# Altium PCB MainBoard_Layout_V2.PcbDoc (part 1 of 3) (continued)
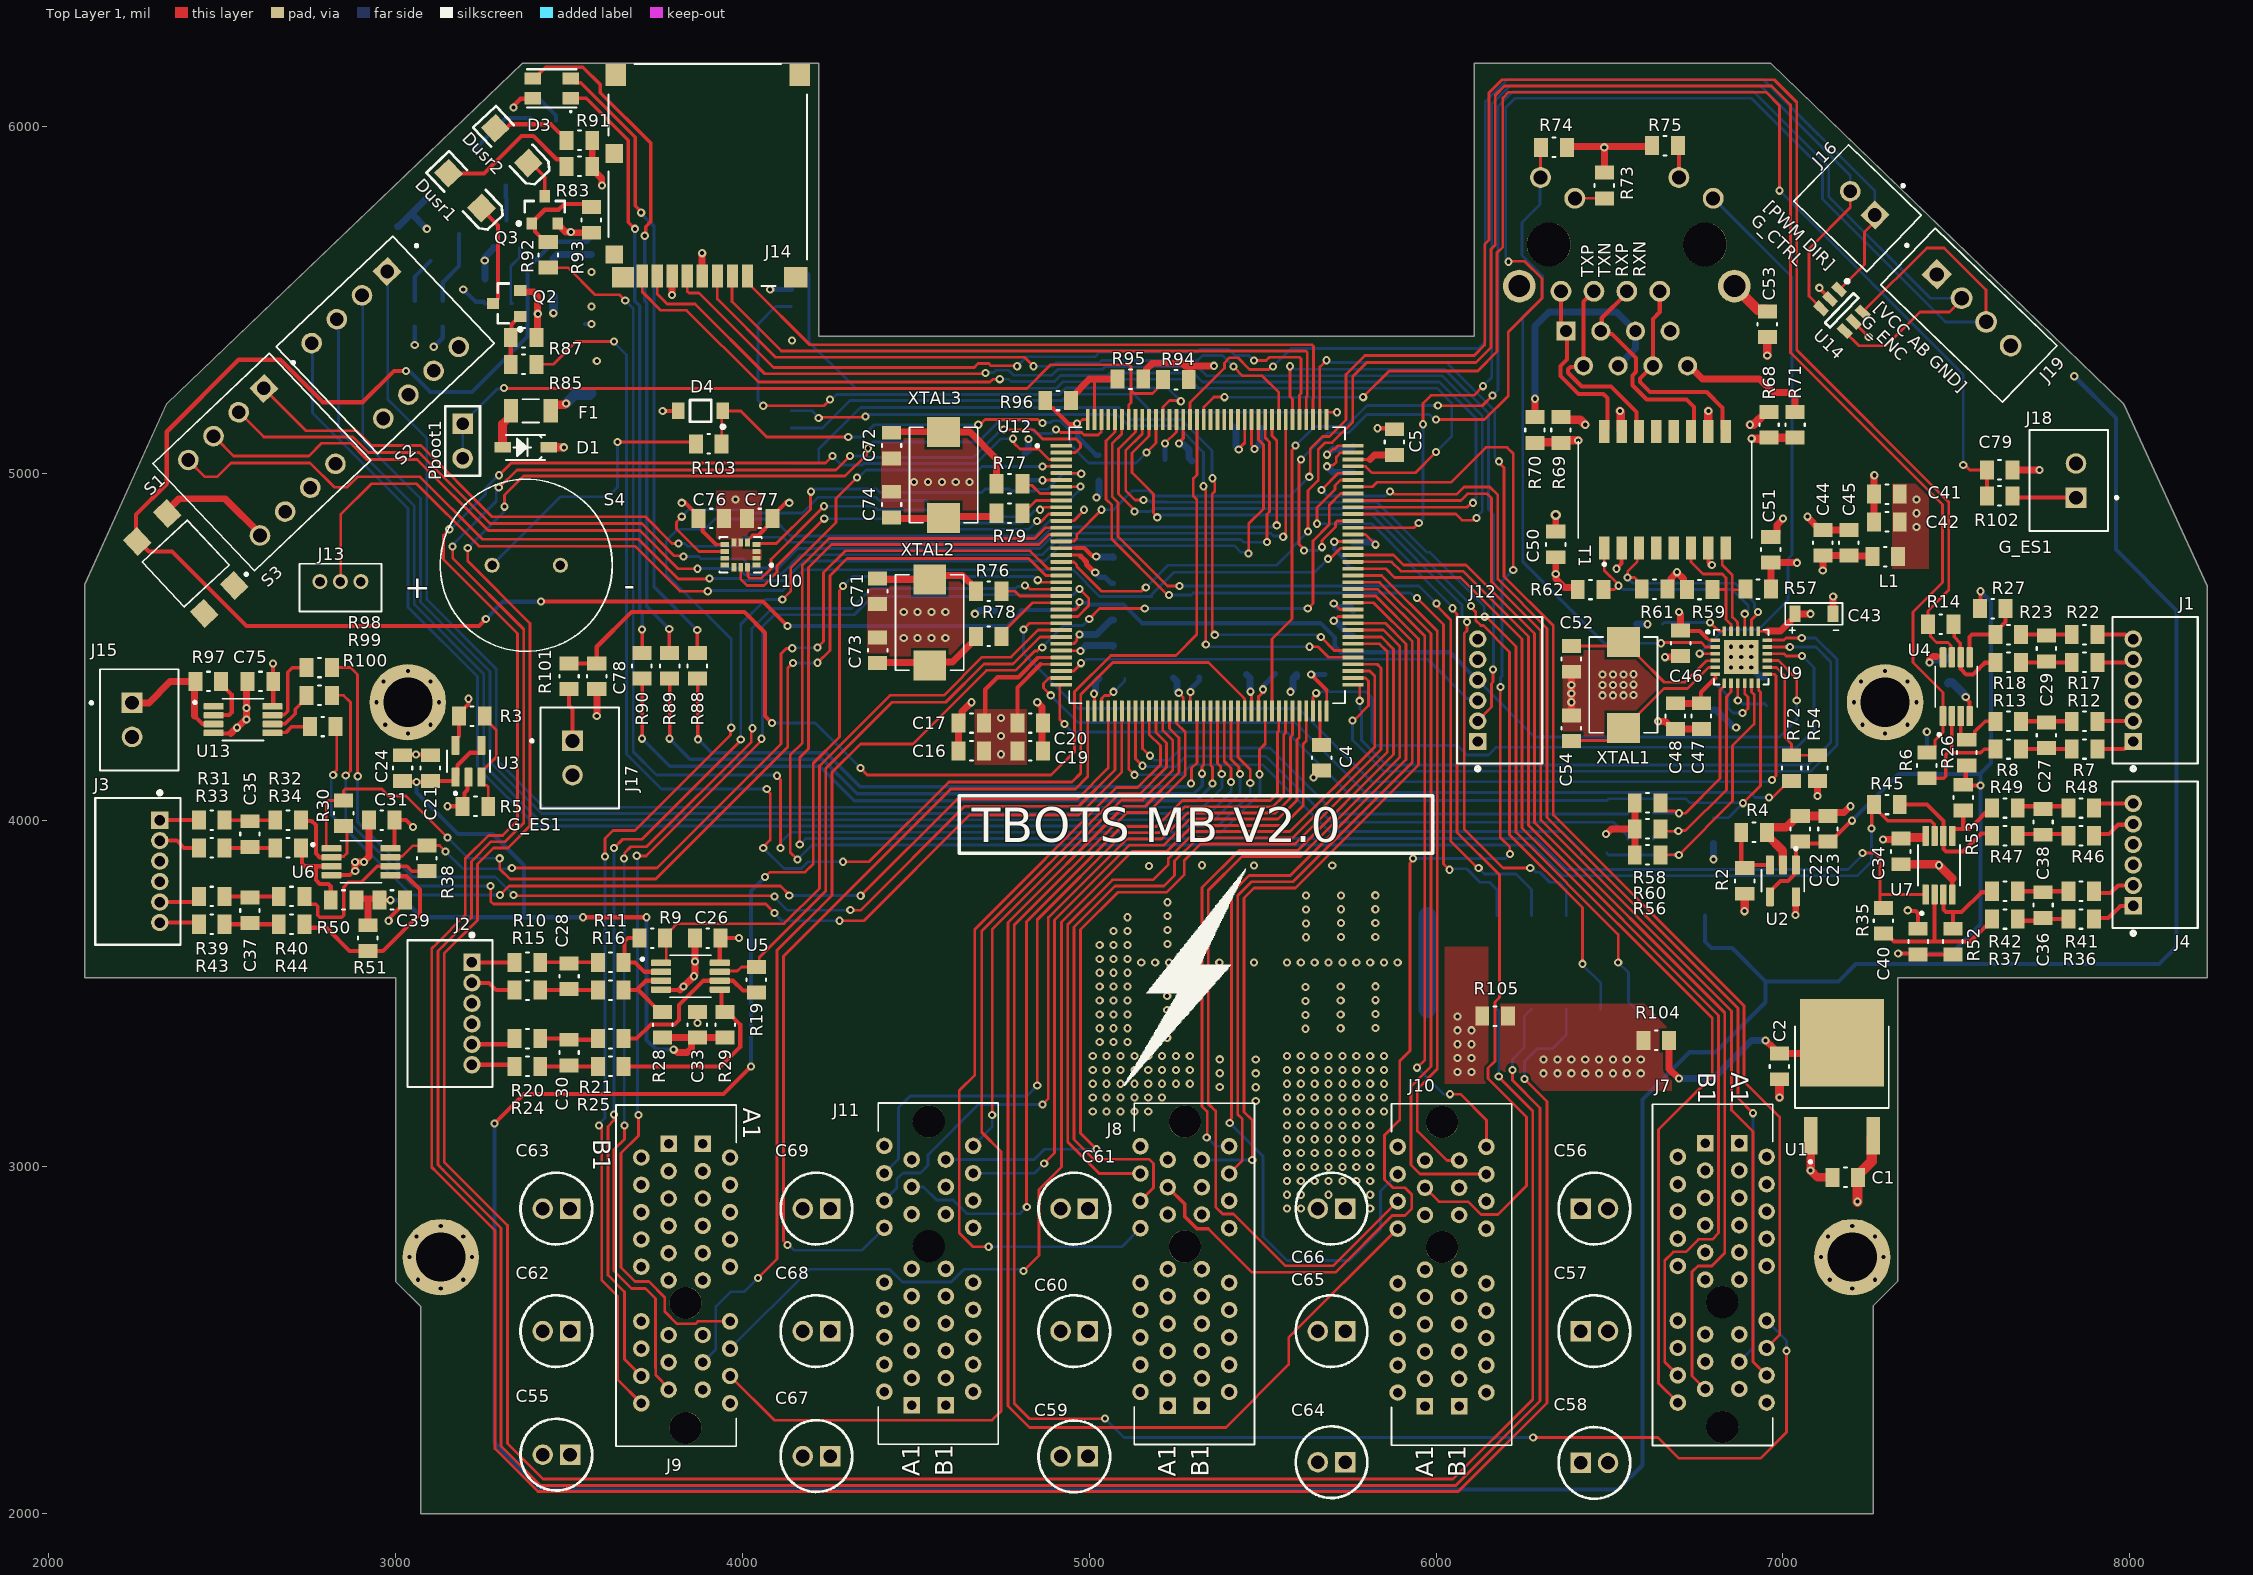
[diagram p0: Top Layer 1 view]
## Footprints (in the part's own frame and the unit in brackets; to place one, negate y for a bottom-side part, rotate by r counter-clockwise, add the part's x,y. Pads: shape width x height; smd on the part's side, far side on the other; paste and mask are expansions set on the pad) (continued)
  rect 67x59 smd: 14(253.92,-294.33)
  silkscreen extent -286,-320 286,320, body extent -280,-312 283,318, height 10
SMD-2 [mm]
  rect 2.2x2.4 smd: 1(-3.15,0) 2(3.15,0)
  silkscreen extent -3.5,-2.5 3.5,2.5
SOD-123 [mil]
  rect 48x30 smd: A(66,0) C(-66,0)
  silkscreen extent -56,-36 56,36
SOT23-6L [mm]
  rect 1.1x0.6 smd: 1(-1.2,0.95) 2(-1.2,0) 3(-1.2,-0.95) 4(1.2,-0.95) 5(1.2,0) 6(1.2,0.95)
  silkscreen extent -1.32,-1.5 0.25,1.92, body extent -0.86,-1.51 0.87,1.52, height 1.25
SOT95P280X145-5N [mm]
  rrect25% 1.39x0.6 smd: 1(-1.165,0.95) 2(-1.165,0) 3(-1.165,-0.95) 4(1.165,-0.95) 5(1.165,0.95)
  silkscreen extent -2.46,-1.57 0.8,1.57, body extent -1.5,-1.5 1.5,1.5, height 1.45
STLINK-V3MODS [mil] "STLINK V3 COMPACT IN-CIRCUIT DEB"
  rect 74.8x42.13 smd: 1(1921.81,-4560) 2(1921.81,-4610) 3(1921.81,-4660) 4(1921.81,-4710) 5(1921.81,-4760) 6(1921.81,-4810) 7(1921.81,-4860) 8(1921.81,-4910) 9(1921.81,-4960) 10(1921.81,-5010) 11(1921.81,-5060) 12(1921.81,-5110) 13(1921.81,-5160) 14(1921.81,-5210) 15(1921.81,-5260) 16(1921.81,-5310) 17(2498.19,-5310) 18(2498.19,-5260) 19(2498.19,-5210) 20(2498.19,-5160) 21(2498.19,-5110) 22(2498.19,-5060) 23(2498.19,-5010) 24(2498.19,-4960) 25(2498.19,-4910) 26(2498.19,-4860) 27(2498.19,-4810) 28(2498.19,-4760) 29(2498.19,-4710) 30(2498.19,-4660) 31(2498.19,-4610) 32(2498.19,-4560)
  silkscreen extent 1910,-5350 2510,-4127
SW_DS02-254-1L-04BE [mm]
  rect 1.508x1.508 hole 1: 1A(-3.81,-3.81)
  round 1.508 hole 1: 1B(-3.81,3.81) 2A(-1.27,-3.81) 2B(-1.27,3.81) 3A(1.27,-3.81) 3B(1.27,3.81) 4A(3.81,-3.81) 4B(3.81,3.81)
  silkscreen extent -6.77,-5.4 5.87,5.4, body extent -5.87,-7.71 5.86,5.17, height 9.46
TL3305 [mm] "TL3305 SPST-NO"
  rect 1.4x1.6 smd: 1(-1.5,3.6) 2(-1.5,-3.6) 3(1.5,3.6) 4(1.5,-3.6)
  silkscreen extent -2.8,-2.25 2.25,3.7
TRANSFORMER [mm]
  rect 1.67x0.76 smd: 1(-4.265,4.445) 2(-4.265,3.175) 3(-4.265,1.905) 4(-4.265,0.635) 5(-4.265,-0.635) 6(-4.265,-1.905) 7(-4.265,-3.175) 8(-4.265,-4.445) 9(4.265,-4.445) 10(4.265,-3.175) 11(4.265,-1.905) 12(4.265,-0.635) 13(4.265,0.635) 14(4.265,1.905) 15(4.265,3.175) 16(4.265,4.445)
  silkscreen extent -5.56,-6.35 3.55,6.35

## Part data
C1 C2 C4 C5: library part "CAP 10uF 10V", "CAP CER 10UF 10V X5R 0805", Package=0805, Rating=10V, Tolerance=10%
C3: library part "CAP 4.7uF 35V", "CAP CER 4.7UF 35V X7R 0603/0805", Operating Temperature="-55°C ~ 125°C", Package=0603/0805, Rating=35V, Temperature Coefficient=X7R, Tolerance=10%
C6 C7 C8 C9 C10 C11 C12 C13 C14 C15 C17 C18 C20 C27 C28 C29 C30 C35 C36 C37 C38 C42 C44 C45 C46 C49 C50 C51 C70 C76 C77 C80: library part "CAP 100nF 50V", "CAP CER 0.1UF 50V X7R 0805", Package=0805, Rating=50V, Tolerance=10%
C16 C19 C21 C22 C32 C33 C39 C40 C41 C48: library part "CAP 1uF 50V", "CAP CER 1UF 50V X7R 0805", Operating Temperature="-55°C ~ 125°C", Package=0805, Rating=50V, Temperature Coefficient=X7R, Tolerance=10%
C23 C24 C25 C26 C31 C34: library part "CAP 0.010uF 50V", "CAP CER 0.010UF 50V X7R 0603/0805", Operating Temperature="-55°C ~ 125°C", Package=0603/0805, Rating=50V, Temperature Coefficient=X7R, Tolerance=10%
C43: library part "CAP TANT 10uF 10V", "CAP TANT 10UF 10V 1206", ESR (Equivalent Series Resistance)="3.8 Ohm", Operating Temperature="-55°C ~ 125°C", Package=1206, Rating=10V, Tolerance=10%, Type="Molded Tantalum"
C47: library part "CAP 470pF 50V", "CAP CER 470PF 50V X7R 0603/0805", Operating Temperature="-55°C ~ 125°C", Package=0603/0805, Rating=50V, Temperature Coefficient=X7R, Tolerance=10%
C52 C54: library part "CAP 30pF 25V", "CAP CER 30PF 25V NP0 0805", Package=0805, Rating=25V, Tolerance=20%
C53: library part "CAP 1000pF 50V", "CAP CER 1000PF 50V X7R 0603/0805", Operating Temperature="-55°C ~ 125°C", Package=0603/0805, Rating=50V, Temperature Coefficient=X7R, Tolerance=10%
C55 C56 C57 C58 C59 C60 C61 C62 C63 C64 C65 C66 C67 C68 C69: "0.1µF 100V Aluminum Electrolytic Capacitors, Through-Hole, Radial, Can 2000 Hrs @ 85°C", Manufacturer_Name=Nichicon, Manufacturer_Part_Number=UKL2A0R1KDD, Mouser Part Number=647-UKL2A0R1KDD, Rating=100V, Supplier Part Number 1=493-16876-ND, Datasheet Link=http://www.mouser.com/ds/2/293/e-ukl-876305.pdf, Height=12.5mm, Mouser Price/Stock=https://www.mouser.com/Search/Refine.aspx?Keyword=647-UKL2A0R1KDD, Supplier 1=Digi-Key
C71 C73: library part "CAP 5.6uF 6.3V", "CAP CER 5.6UF 6.3V X5R 0805", Operating Temperature="-55°C ~ 85°C", Package=0805, Rating=6.3V, Temperature Coefficient=X5R, Tolerance=10%
C72 C74: library part "CAP 5.1pF 630V", "CAP CER 5.1PF 630V C0G/NP0 0805", Operating Temperature="-55°C ~ 125°C", Package=0805, Rating=50V, Temperature Coefficient=C0G/NP0, Tolerance=10%
C75: library part "CAP 0.10uF 16V", "CAP CER 0.10UF 16V X5R 0603/0805", Operating Temperature="-55°C ~ 85°C", Package=0603/0805, Rating=16V, Temperature Coefficient=X5R, Tolerance=10%
C78 C79: library part "CAP 0.1uF 25V", "CAP CER 0.1UF 25V X7R 0805", Operating Temperature="-55°C ~ 125°C", Rating=25V, Temperature Coefficient=X7R, Tolerance=10%
D1: library part "DIODE SCHOTTKY 20V 1A", "Diode Schottky 20V 1A Surface Mount SOD-123FL", Current Rating=1A, Package=SOD-123, Voltage Rating=20V, ComponentLink1Description=digikey, ComponentLink1URL=https://www.digikey.ca/product-detail/en/on-semiconductor/MBR0540T1G/MBR0540T1GOSCT-ND/917967, Digikey=SM5817PL-TPMSCT-ND, Digikey Link=https://www.digikey.ca/product-detail/en/micro-commercial-co/SM5817PL-TP/SM5817PL-TPMSCT-ND/1793410, MF="Micro Commercial Co", MP=SM5817PL-TP
D3: "LED RGB No Lead  / AAA3528"
D4: library part "DIODE ZENER 3.3 500mW", "Zener 3V3 Voltage Regulator, 500 mW, 2-Pin SOD-123, Pb-Free, Tape and Reel", Manufacturer="On Semiconductor", PartNumber=MMSZ4684T1G, Supplier Part Number 1=MMSZ4684T1GOSCT-ND, ComponentLink1Description="Manufacturer URL", ComponentLink1URL=http://www.onsemi.com/, ComponentLink2Description=Datasheet, ComponentLink2URL=http://www.onsemi.com/pub_link/Collateral/MMSZ4678T1-D.PDF, ComponentLink3Description="Package Specification", ComponentLink3URL=http://www.onsemi.com/pub_link/Collateral/425-04.PDF, DatasheetVersion="Rev. 9", Mounting Technology="Surface Mount", P Max (W)=0.5, PackageDescription="2-Pin SOD, Body 1.6 x 2.69 mm", PackageReference=SOD-123-2-425-04, PackageVersion="Rev. G, 10/2009", Packing="Tape and Reel", RoHS=Pb-Free, Supplier 1=Digi-Key, VZ Typ (V)=3.3
Dled1 Dled2 Dled3 Dusr1: library part "LED GREEN SMD", "Typical RED, GREEN, YELLOW, AMBER GaAs LED", Color=Green, Current - Test=20mA, Package=1206, Voltage - Forward (Vf) (Typ)=2V, Lens Transparency=Clear
Dusr2: library part "LED RED SMD", "Typical RED, GREEN, YELLOW, AMBER GaAs LED", Color=Red, Current - Test=20mA, Lens Color=Colorless, Package=1206, Voltage - Forward (Vf) (Typ)=1.7V, Lens Transparency=Clear
F1: library part "FUSE 3A 63V SLOW", "FUSE 3A 63V AC/DC SLOW 1206", Current Rating (Amps)=3A, Operating Temperature="-55°C ~ 90°C", Voltage Rating - AC=63V, Response Time="Slow Blow", Voltage Rating - DC=63V
J1 J2 J3 J4 J12: library part "CN 6POS JST RA", "Conn Shrouded Header HDR 6 POS 1.5mm Solder RA Thru-Hole Box", Color=White, Contact Resistance=30mR, Current Rating=1A, Flammability Rating="UL94 V-0", Housing Color=Beige, Insulation Color=Natural, Insulation Resistance=500MR, Manufacturer=JST, Manufacturer Part Number=S6B-ZR(LF)(SN), Max Operating Temperature=85°C, Max Voltage Rating (AC)=50V, Min Operating Temperature=-25°C, Supplier Part Number 1=455-1673-ND, Body Plating=Tin, Category="Headers and Wire Housings", ComponentLink1Description=https://datasheet.ciiva.com/8052/80556-8052225.pdf?src-supplier=Element14, ComponentLink1URL=https://datasheet.ciiva.com/8052/80556-8052225.pdf?src-supplier=Element14, ComponentLink2Description=https://datasheet.ciiva.com/25617/0900766b81147f94-25617345.pdf?src-supplier=RSComponents, ComponentLink2URL=https://datasheet.ciiva.com/25617/0900766b81147f94-25617345.pdf?src-supplier=RSComponents, ComponentLink3Description=https://datasheet.ciiva.com/11752/0900766b8082f593-11752194.pdf?src-supplier=RSComponents, ComponentLink3URL=https://datasheet.ciiva.com/11752/0900766b8082f593-11752194.pdf?src-supplier=RSComponents, ComponentLink4Description=https://datasheet.ciiva.com/26894/getdatasheetpartid-642095-26894637.pdf?src-supplier=Verical, ComponentLink4URL=https://datasheet.ciiva.com/26894/getdatasheetpartid-642095-26894637.pdf?src-supplier=Verical, ComponentLink5Description=https://datasheet.ciiva.com/712/ezh-712560.pdf?src-supplier=Digi-Key, ComponentLink5URL=https://datasheet.ciiva.com/712/ezh-712560.pdf?src-supplier=Digi-Key, ComponentLink6Description=https://datasheet.ciiva.com/16484/s6b-zrlfsn-16484554.pdf?src-supplier=Future+Electronics, ComponentLink6URL=https://datasheet.ciiva.com/16484/s6b-zrlfsn-16484554.pdf?src-supplier=Future+Electronics, Connector Type="Header,Male Pin", Contact Material=Brass,Tin,Copper, Contact Mating Length=0.094inch, Contact Plating=Tin,Copper, Contact Shape=Circular, Depth=6mm, Fastening Type=Detent, Gender=Male, Height=7.2mm, Housing Material=Polyamide, Insulation Material=Nylon, Lead Free="Lead Free", Lead Pitch=1.5mm, Length=10.5mm, Material=Nylon, Max Current Rating=1A, Mount="Through Hole", Number of Contacts=6, Number of Pins=6, Number of Positions=6, Number of Rows=1, Orientation="Right Angle", Packaging=Bulk, Panel Thickness=3.5mm, Pitch=1.5mm, REACH SVHC="No SVHC", RoHS=Yes, Stock 1=14808, Supplier 1=Digi-Key, Termination=Solder, Voltage Rating=50V, Voltage Rating (AC)=50V, Voltage Rating (DC)=50V, Width=3.5mm
J5: library part "CN MAGJACK", "CN MAGJACK 1PORT 100 BASE-TX", Package=None, Supplier Part Number 1=673-J00-0045NL, Digikey=553-1619-5-ND, Digikey Link=https://www.digikey.com/product-detail/en/pulse-electronics-network/J00-0045NL/553-1619-5-ND/1036860?utm_source=snapeda&utm_medium=aggregator&utm_campaign=symbol, MF="Pulse Electronics", MP=J00-0045NL, SnapEDA_Link=https://www.snapeda.com/parts/J00-0045NL/Pulse%20Electronics%20Network/view-part/87956/?ref=snap, Supplier 1=Mouser
J6: library part "CN HDR 34POS 2x17", "Female Header THRU 34POS 2ROW 0.1\" (2.54mm) pitch"
J7 J8 J9 J10 J11: "36 Position Female Connector PCI Expressâ„¢ Gold 0.039 _1.00mm_ Black 10018784-10210TLF", Package=None, Availability=Unavailable, MF="Amphenol ICC", MP=10018784-10210TLF, Price=None, SnapEDA_Link=https://www.snapeda.com/parts/10018784-10210TLF/Amphenol%20FCI/view-part/520950/?ref=snap
J13: "Connector Header Through Hole 3 position 0.059 (1.50mm)", Package=Bulk, Availability=Active, Check_prices=https://www.snapeda.com/parts/B3B-ZR/JST%20Sales%20America%20Inc./view-part/496625/?ref=eda, ComponentLink1Description="Digikey Link", ComponentLink1URL=https://www.digikey.com/en/products/detail/jst-sales-america-inc/B3B-ZR(LF)(SN)/926565?utm_source=snapeda&utm_medium=aggregator&utm_campaign=buynow, Digikey=455-1658-ND, MF="JST Sales", MP=B3B-ZR, Price=$0.18, SnapEDA_Link=https://www.snapeda.com/parts/B3B-ZR/JST%20Sales%20America%20Inc./view-part/496625/?ref=snap
J14: "10 (8 + 2) Position Card Connector Secure Digital - microSD™ Surface Mount, Right Angle Gold", ComponentLink1Description=Digikey, ComponentLink1URL=https://www.digikey.ca/en/products/detail/molex/5027740891/1952536, ComponentLink2Description=Datasheet, ComponentLink2URL=https://www.molex.com/pdm_docs/sd/5027740891_sd.pdf, Digikey=WM24066CT-ND, MF=Molex, MP=5027740891
J15 J16 J17 J18: "Connector Header Through Hole 2 position 0.098 _2.50mm_ / JST XH", Package=None, Availability=Unavailable, MF="JST Sales", MP=B2B-XH-A_LF__SN_, Price=None, SnapEDA_Link=https://www.snapeda.com/parts/B2B-XH-A%28LF%29%28SN%29/JST%20Sales%20America%20Inc./view-part/492310/?ref=snap
J19: "Connector Header Through Hole 4 position 0.098 _2.50mm_ / B4B-XH-A(LF)(SN)", Package=None, Availability=Unavailable, MF="JST Sales", MP=B4B-XH-A_LF__SN_, Price=None, SnapEDA_Link=https://www.snapeda.com/parts/B4B-XH-A%28LF%29%28SN%29/JST%20Sales%20America%20Inc./view-part/447494/?ref=snap
L1: "100µH Unshielded Wirewound Inductor 50mA 4Ohm 0805 (2012 Metric)", Supplier Part Number 1=587-4040-1-ND, Digikey=587-2048-1-ND, Digikey Link=https://www.digikey.ca/product-detail/en/taiyo-yuden/LBR2012T101K/587-2048-1-ND/1788995, MF="Taiyo Yuden", MP=LBR2012T101K, Revision="July-2002: Re-released for DXP Platform.", Supplier 1=Digi-Key
Pboot1: "Header, 2-Pin", LatestRevisionDate=17-Jul-2002, LatestRevisionNote="Re-released for DXP Platform.", Publisher="Altium Limited"
Q1 Q2 Q3: library part CMP-1048-00605-1, "Driver Transistor, NPN Silicon, 3-Pin SOT-23, Tape and Reel", Manufacturer="On Semiconductor", ComponentLink1Description="Manufacturer URL", ComponentLink1URL=http://www.onsemi.com/, ComponentLink2Description=Datasheet, ComponentLink2URL=http://www.onsemi.com/pub_link/Collateral/BSS64LT1-D.PDF, ComponentLink3Description="Package Specification", ComponentLink3URL=http://www.onsemi.cn/pub_link/Collateral/318-08.PDF, DatasheetVersion="Rev. 5", fT Min (MHz)=60, IC Continuous (A)=0.1, Mounting Technology="Surface Mount", PackageDescription="3-Pin Small Outline Transistor, Body 2.92 x 1.3 mm, Pitch 0.95 mm", PackageReference=SOT-23-3-318-08, PackageVersion="Rev. AP, 11/2009", Packing="Tape and Reel", PartNumber=BSS64LT1, Polarity=NPN, RoHS=FALSE
R1: library part "RES 182.0 1/8W", "RES SMD 182 OHM 1% 1/8W 0805", Package=0805, Power (Watts)=0.125W, Tolerance=1%
R2 R3 R4 R5 R8 R11 R13 R16 R18 R21 R23 R25 R32 R34 R37 R40 R42 R44 R47 R49 R86 R87 R93: library part "RES 100k 1/8W - 1%", "RES SMD 100K OHM 1% 1/8W 0805", Package=0805, Power (Watts)=0.125W, Tolerance=1%
R6 R9 R14 R19 R26 R27 R28 R29 R30 R35 R38 R45 R50 R51 R52 R53: library part "RES 64.9k 1/8W", "RES SMD 64.9K OHM 1% 1/8W 0805", Package=0805, Power (Watts)=0.125W, Tolerance=1%, ComponentLink1Description=digikey, ComponentLink1URL=https://www.digikey.ca/en/products/detail/yageo/RC0805FR-0764K9L/728090
R7 R10 R12 R15 R17 R20 R22 R24 R31 R33 R36 R39 R41 R43 R46 R48 R90: library part "RES 330.0 1/8W - 1%", "RES SMD 330 OHM 1% 1/8W 0805", Package=0805, Rating=0.125W, Tolerance=1%
R54 R56 R58 R60 R65 R74 R94 R95 R96: library part "RES 10k 1/8W - 1%", "RES SMD 10K OHM 1% 1/8W 0805", Package=0805, Power (Watts)=0.125W, Tolerance=1%
R55: library part "RES 1.5k 1/8W - 1%", "RES SMD 1.5K OHM 1% 1/8W 0805", Package=0805, Power (Watts)=0.125W, Tolerance=1%, ComponentLink1Description=digikey, ComponentLink1URL=https://www.digikey.ca/en/products/detail/panasonic-electronic-components/ERJ-6ENF1022V/111476
R57 R59 R61 R62: library part "RES 49.9 1/8W", "RES SMD 49.9 OHM 1% 1/8W 0805", Package=0805, Power (Watts)=0.125W, Tolerance=1%
R63 R64 R66 R72: library part "RES 33.0 1/8W - 1%", "RES SMD 33 OHM 1% 1/8W 0805", Package=0805, Power (Watts)=0.125W, Tolerance=1%
R67: library part "RES 12.1k 1/8W", "RES SMD 12.1K OHM 1% 1/8W 0805", Package=0805, Power (Watts)=0.125W, Tolerance=1%
R68 R69 R70 R71: library part "RES 75.0 1/8W - 1%", "RES SMD 75 OHM 1% 1/8W 0805", Package=0805, Power (Watts)=0.125W, Tolerance=1%
R73 R75 R81 R83 R88 R89 R91: library part "RES 270.0 1/8W", "RES SMD 270 OHM 5% 1/8W 0805", Package=0805, Power (Watts)=0.125W, Tolerance=5%
R76 R77 R78 R79 R80 R98 R99 R100 R101 R102 R104 R105: library part "RES 0 JUMPER", "RES SMD 0 OHM JUMPER GENERIC 0805", Package=0805
R82: library part "RES 4.7k 1/8W - 5%", "RES SMD 4.7k OHM 5% 1/8W 0805", Package=0805, Power (Watts)=0.125W, Tolerance=5%
R84 R92: library part "RES 47k 1/8W - 1%", "RES SMD 47K OHM 1% 1/8W 0805", Package=0805, Power (Watts)=0.125W, Tolerance=1%
R85: library part "RES 47.0 1/8W - 1%", "RES SMD 47 OHM 1% 1/8W 0805", Package=0805, Power (Watts)=0.125W, Tolerance=1%
R97: library part "RES 7.68k 0.15W", "RES SMD 7.68K OHM 0.1% 0.15W 0805", Package=0805, Power (Watts)=0.125W, Tolerance=5%
R103: library part "RES 2k 1/8W", "RES SMD 2K OHM 5% 1/8W 0805", Package=0805, Power (Watts)=0.125W, Tolerance=5%
S1: "Tactile Switch SPST-NO Top Actuated Surface Mount 12V 50mA", Actuator Height=5mm, Circuit=SPST-NO, ComponentLink1Description=Digikey, ComponentLink1URL=https://www.digikey.ca/en/products/detail/e-switch/TL3305BF260QG/5816185, ComponentLink2Description=Datasheet, ComponentLink2URL=https://sten-eswitch-13110800-production.s3.amazonaws.com/system/asset/product_line/data_sheet/213/TL3305.pdf, Digikey=EG5354DKR-ND, MF=E-Switch, Mounting Type=SMD, MP=TL3305BF260QG, Switch Function=Off-Mom
S2 S3: "Dip Switch Piano Key 4-position", Package=None, Availability=Unavailable, MP=DS02-254-1L-04BE, Price=None
S4: library part "BUZZER PKM13EPYH4000-A0", Max Voltage=30V, Rated Voltage=1.5V, Supplier Part Number=490-4698-1-ND, Decibels="70dB @ 1.5V, 10cm", Part Name="BUZZER PKM13EPYH4000-A0", Supplier=Digikey
T1: library part "XFRMR H1102NLT", "Isolation and Data Interface (Encapsulated) Pulse Transformer 1:1 Transmitter, 1:1 Receiver Surface Mount", Package=SOIC-16, Supplier Part Number 1=553-1323-5-ND, Digikey=553-1323-5-ND, Digikey Link=https://www.digikey.ca/en/products/detail/pulse-electronics-network/H1102NL/1036940?s=N4IgTCBcDaIBIEYEAYwDkAyIC6BfIA, MF="Pulse Electronics", MP=H1102NL, Price="7.99 CAD", Supplier 1=Digi-Key
U1: "Linear Voltage Regulator IC Positive Fixed 1 Output  1A TO-252-3", Package=TO-252-3, Supplier Part Number 1=ZLDO1117K33DICT-ND, Digikey=ZLDO1117K33DIDKR-ND, Digikey Link=https://www.digikey.ca/product-detail/en/diodes-incorporated/ZLDO1117K33TC/ZLDO1117K33DIDKR-ND/2095639, MF="Diodes Incorporated", MP=ZLDO1117K33TC, Supplier 1=Digi-Key
U2 U3: "ANALOG DEVICES - ADA4505-1ARJZ-R7 - IC, AMPLIF. OPER., R-R, CMOS, SOT23-5", Case/Package=SOT-23-5, Input Bias Current=500nA, Input Capacitance=4.7pF, Input Offset Voltage (Vos)=3mV, Manufacturer="Analog Devices", Manufacturer Part Number=ADA4505-1ARJZ-R7, Max Dual Supply Voltage=2.5V, Max Operating Temperature=125°C, Max Supply Voltage=5V, Min Dual Supply Voltage=900mV, Min Operating Temperature=-40°C, Min Supply Voltage=1.8V, Operating Supply Current=9uA, Operating Supply Voltage=3V, Output Current per Channel=40mA, Package Quantity=3000, Power Supply Rejection Ratio (PSRR)=110dB, Voltage Gain=120dB, Bandwidth=50kHz, Category="Amplifiers - Op Amps, Buffer, Instrumentation", Common Mode Rejection Ratio=105dB, ComponentLink1Description=https://datasheet.ciiva.com/22712/1610797-22712032.pdf?src-supplier=Element14, ComponentLink1URL=https://datasheet.ciiva.com/22712/1610797-22712032.pdf?src-supplier=Element14, ComponentLink2Description=https://datasheet.ciiva.com/23805/608874-23805844.pdf?src-supplier=Newark, ComponentLink2URL=https://datasheet.ciiva.com/23805/608874-23805844.pdf?src-supplier=Newark, ComponentLink3Description=https://datasheet.ciiva.com/1487/1610797-1487372.pdf?src-supplier=Element14, ComponentLink3URL=https://datasheet.ciiva.com/1487/1610797-1487372.pdf?src-supplier=Element14, Contact Plating=Tin,Matte, Digikey=ADA4505-1ARJZ-R7CT-ND, Gain Bandwidth Product=50kHz, Lead Free="Contains Lead", Number of Amplifiers=1, Number Of Channels=1, Number of Circuits=1, Number of Elements=1, Number of Pins=5, Packaging="Tape and Reel", Quiescent Current=9uA, REACH SVHC="No SVHC", RoHS=Yes, Slew Rate=0.006V/µs, Stock 1=3416, Supplier 1=Digi-Key, Unity Gain Bandwidth Product=50kHz
U4 U5 U6 U7: "IC OPAMP VFB 50KHZ RRO 8MSOP", Case/Package=MSOP, Input Bias Current=0.5pA, Input Capacitance=4.7pF, Input Offset Voltage (Vos)=3mV, Manufacturer="Analog Devices", Manufacturer Part Number=ADA4505-2ARMZ, Max Dual Supply Voltage=2.5V, Max Input Voltage=5V, Max Operating Temperature=125°C, Min Dual Supply Voltage=900mV, Min Operating Temperature=-40°C, Min Supply Voltage=1.8V, Nominal Supply Current=7uA, Operating Supply Current=14uA, Operating Supply Voltage=3V, Output Current per Channel=40mA, Package Quantity=50, Power Supply Rejection Ratio (PSRR)=110dB, Voltage Gain=120dB, Bandwidth=50kHz, Category="Amplifiers - Op Amps, Buffer, Instrumentation", Common Mode Rejection Ratio=105dB, ComponentLink1Description=https://datasheet.ciiva.com/24017/ada4505-1-4505-2-4505-4-249280-24017665.pdf?src-supplier=Mouser, ComponentLink1URL=https://datasheet.ciiva.com/24017/ada4505-1-4505-2-4505-4-249280-24017665.pdf?src-supplier=Mouser, ComponentLink2Description=https://datasheet.ciiva.com/2974/ada4505-1-4505-2-4505-4-2974772.pdf?src-supplier=Avnet, ComponentLink2URL=https://datasheet.ciiva.com/2974/ada4505-1-4505-2-4505-4-2974772.pdf?src-supplier=Avnet, ComponentLink3Description=https://datasheet.ciiva.com/17569/ada4505-1-4505-2-4505-4-17569270.pdf?src-supplier=Avnet+Europe, ComponentLink3URL=https://datasheet.ciiva.com/17569/ada4505-1-4505-2-4505-4-17569270.pdf?src-supplier=Avnet+Europe, ComponentLink4Description=https://datasheet.ciiva.com/1805/ada4505-1-4505-2-4505-4-1805784.pdf?src-supplier=Digi-Key, ComponentLink4URL=https://datasheet.ciiva.com/1805/ada4505-1-4505-2-4505-4-1805784.pdf?src-supplier=Digi-Key, Contact Plating=Tin,Matte, Digikey=ADA4505-2ARMZ-ND, Gain Bandwidth Product=50kHz, Height=0.95mm, Lead Free="Contains Lead", Length=3.2mm, Max Supply Voltage=5V, Number of Amplifiers=2, Number Of Channels=2, Number of Circuits=2, Number of Elements=2, Number of Pins=8, Packaging=Rail/Tube, Quiescent Current=7uA, REACH SVHC="No SVHC", RoHS=Yes, Slew Rate=0.006V/µs, Stock 1=767, Supply Type=Single,Dual, Unity Gain Bandwidth Product=50kHz, Width=3.2mm
U9: "LAN8742A-CZ-TR - Small Footprint RMII 10/100 Ethernet, Transceiver with HP Auto-MDIX and flexPWR Technology SQFN-24", Supplier Part Number 1=LAN8742A-CZ-CT-ND, Digikey=LAN8742A-CZ-CT-ND, Digikey Link=https://www.digikey.ca/product-detail/en/microchip-technology/LAN8742A-CZ-TR/LAN8742A-CZ-CT-ND/8256089, MF="Microchip Technology", MP=LAN8742A-CZ-TR, Supplier 1=Digi-Key
U10: library part "IMU LSM6DSLTR", "IMU ACCEL/GYRO I2C/SPI 14LGA", Package="LGA-14 STMicroelectronics", Supplier Part Number 1=497-16705-1-ND, Digikey=https://www.digikey.ca/product-detail/en/stmicroelectronics/LSM6DSLTR/497-16705-1-ND/6192805, MF=STMicroelectronics, MP=LSM6DSLTR, SnapEDA_Link=https://www.snapeda.com/parts/LSM6DSLTR/STMicroelectronics/view-part/550517/?ref=snap, Supplier 1=Digi-Key
U11: "STM32 - Debugger, Programmer (In-Circuit/In-System)", ComponentLink1Description=Digikey, ComponentLink1URL=https://www.digikey.ca/en/products/detail/stmicroelectronics/stlink-v3mods/11610874, ComponentLink2Description=SnapEDA, ComponentLink2URL=https://www.snapeda.com/parts/STLINK-V3MODS/STMicroelectronics/view-part/, ComponentLink3Description=Datasheet, ComponentLink3URL=https://www.st.com/resource/en/data_brief/stlink-v3mods.pdf, Digikey=497-STLINK-V3MODS-ND, MF=STMicroelectronics, MP=STLINK-V3MODS, Price=$12.15
U12: "ARM® Cortex®-M7 STM32H7 Microcontroller IC 32-Bit 480MHz 2MB (2M x 8) FLASH 144-LQFP (20x20)", Package="LQFP-144 STMicroelectronics", ComponentLink1Description=SnapEDA, ComponentLink1URL=https://www.snapeda.com/parts/STM32H743ZIT6/STMicroelectronics/view-part/1041111/?ref=snap, ComponentLink2Description=DigiKey, ComponentLink2URL=https://www.digikey.ca/en/products/detail/stmicroelectronics/STM32H743ZIT6/7809238, ComponentLink3Description=Datasheet, ComponentLink3URL=https://www.st.com/resource/en/datasheet/stm32h743bi.pdf, Digikey=497-17721-ND, MF=STMicroelectronics, MP=STM32H743ZIT6
U13: "MAX 6685 Thermistor - SPI converter, 8bit", Supplier Part Number 1=MAX6682MUA+-ND, Supplier 1=Digi-Key
XTAL1 XTAL2: library part "XTAL 25MHZ 8PF SMD", "25MHz ±50ppm Crystal 8pF 70 Ohms 2-SMD, No Lead", Frequency=25MHz, Load Capacitance=8pF, Package="2-SMD, No Lead", Supplier Part Number 1=644-1041-1-ND, Digikey=644-1041-1-ND, Digikey Link=https://www.digikey.ca/product-detail/en/ndk-america-inc/NX5032GA-25.000000MHZ-LN-CD-1/644-1041-1-ND/1128913, ESR="70 Ohms", MF="NDK America, Inc.", MP=NX5032GA-25.000000MHZ-LN-CD-1, Price="0.95 CAD", Supplier 1=Digi-Key
XTAL3: library part "XTAL 32.7680KHZ 12.5PF SMD", "32.768kHz ±20ppm Crystal 12.5pF 70 kOhms 2-SMD, No Lead", Frequency=32.768kHz, Load Capacitance=12.5pF, Package="2-SMD, No Lead", Supplier Part Number 1=644-1156-1-ND, ComponentLink1Description=Digikey, ComponentLink1URL=https://www.digikey.ca/en/products/detail/ndk-america-inc/NX3215SA-32-768K-STD-MUA-8/2261469, ComponentLink2Description=Datasheet, ComponentLink2URL=https://media.digikey.com/datasheets/production/702868/1/NX3215SA-32-768K-STD-MUA-8.html, Digikey=644-1156-1-ND, Digikey Link=https://www.digikey.ca/en/products/detail/ndk-america-inc/NX3215SA-32-768K-STD-MUA-8/2261469?s=N4IgTCBcDaIGwBYEFoCMqCsc3IHIBEQBdAXyA, ESR="70 kOhms", MF="NDK America, Inc.", MP=NX3215SA-32.768K-STD-MUA-8, Price="1.04000 CAD", Supplier 1=Digi-Key

## Free pads (board coordinates)
  round 60 hole 39.37: 2(6360,5525) 2(6455,5525) 2(6550,5525) 2(6645,5525)
  round 220.47 hole 141.73: ""(3035.18,4340) ""(3130,2740) ""(7200,2740) ""(7294.82,4340)

## Via types
v1: diameter 23.62, hole 11.81, Top Layer 1 to Bottom Layer 1, tented both sides, 452 vias
v2: diameter 23.62, hole 11.81, Top Layer 1 to Bottom Layer 1, 166 vias
v3: diameter 23.62, hole 11.81, Top Layer 1 to Bottom Layer 1, tented bottom, 48 vias
v4: diameter 23.62/23.62/23.62/23.62 (per signal layer), hole 11.81, Top Layer 1 to Bottom Layer 1, 2 vias
v5: diameter 30, hole 15, Top Layer 1 to Bottom Layer 1, tented both sides, 1 vias
v6: diameter 23.62, hole 11.81, Top Layer 1 to Bottom Layer 1, tented top, 1 vias

## Nets (pads, with @x,y where several pads share a name; then routed paths per layer and width w, separated by ;. In a path a pad name is that pad's centre, name@x,y a point inside that pad or via, vN(x,y) a via of type N, cw(c..) or ccw(c..) an arc to the next point about the centre after c; other vN are vias at no path point)
3V3: C3.2 C6.2 C7.2 C8.2 C9.2 C10.2 C11.2 C12.2 C13.2 C14.2 C15.2 C16.2 C17.2 C18.2 C19.2 C20.2 C25.1 C26.1 C31.1 C34.1 C41.2 C42.2 C49.2 C75.1 C76.2 C77.2 C80.2 D3.2 J1.4 J2.4 J3.4 J4.4 J12.1 J13.1 J14.4 J19.1 L1.1 R1.2 R2.2 R3.2 R54.2 R55.2 R56.2 R58.2 R60.2 R80.1 R81.2 R83.1 R91.1 R96.2 R104.1 R105.1 U2.5 U3.5 U4.8 U5.8 U6.8 U7.8 U9.9 U10.5 U10.8 U12.6 U12.17 U12.30 U12.32 U12.33 U12.39 U12.52 U12.62 U12.72 U12.84 U12.95 U12.108 U12.121 U12.131 U12.144 U13.8 U14.5 | length 5037.6
  Top Layer 1 w8: 3925.82,4794.53 U10.8@3946.44,4794.53 ; U10.8@3946.44,4797.42 U10.8@3949.33,4794.53 ; U10.5@4014.68,4800.83 4015,4801.14 4015,4806.26 4028.74,4820 ; 4851.12,4467.38 4852.99,4469.25 U12.32@4919.53,4469.25 ; 4859.57,4449.57 U12.33@4919.53,4449.57 ; v1(4865,4980) 4865.89,4980.89 4919.35,4980.89 U12.6@4919.53,4981.06 ; U12.30@4919.53,4508.62 4919.7,4508.8 4955.23,4508.8 4964.24,4517.8 4964.24,4523.78 4972,4531.54 v1(4972,4535.77) ; U12.17@4946.24,4764.7 4946.06,4764.53 U12.17@4919.53,4764.53 4919.7,4764.35 4972.12,4764.35 4975.5,4760.98 ; v1(4964.83,5143.66) 4969.17,5143.67 4980.72,5155.22 4994,5155.22 4994.26,5155.47 U12.144@4995.51,5155.47 ; U12.39@5034.88,4314.53 5035.06,4314.7 5035.06,4350.23 5044.06,4359.24 5057.5,4359.24 5068.27,4370 v1(5070,4370) ; v1(5218.65,5085.79) 5218.65,5087.18 5251.24,5119.77 U12.131@5251.24,5155.3 ; U12.52@5290.79,4314.53 5290.79,4341.06 5290.96,4341.24 5290.96,4368.72 v1(5291.85,4369.61) ; v1(5431.11,5068.89) 5431.11,5071.11 5448.27,5088.27 U12.121@5448.27,5155.47 U12.121@5448.44,5155.3 ; U12.62@5487.64,4314.53 5487.64,4357.24 5489.72,4357.24 5499.72,4367.24 v1@5504.05,4367.24 ; U12.72@5684.49,4314.53 5684.49,4374.49 ; v1(5685.81,5053.84) 5686.2,5053.84 5702.84,5070.48 5708.5,5070.48 5717.76,5079.75 5760.22,5079.75 U12.108@5760.47,5079.49 ; v1(5705,4625) 5722.78,4607.22 5760.3,4607.22 U12.84@5760.47,4607.05 ; U12.95@5760.47,4823.58 5760.65,4823.41 5796.59,4823.41 v2(5825.65,4794.35) ; v1(6870,4345) 6870.08,4345.08 6870.08,4395.12 U9.9@6870.16,4395.2 ; U14.5@7204.11,5437.18 7247.59,5393.7 v1(7247.59,5393.58)
  Top Layer 1 w12: v1(2646.05,4452.07) 2646.05,4400.95 C75.1@2647,4400 2647,4331.83 2650.45,4328.39 U13.8@2654.65,4328.39 ; U6.8@2984.65,3918.39 2993.55,3918.39 2997,3921.83 C31.1@2997,4000 3030,4000 v1(3050,3980) ; U3.5@3172.6,4215.87 3172.6,4231.42 3183,4241.82 R3.2@3183,4300 3183,4307.5 3210,4334.5 v1(3210,4350) ; v1(3340,6055) 3340,6060 3360,6080 3393.43,6080 D3.2@3394.88,6081.46 ; v1(3825,4915) 3835.5,4915 3873,4877.5 C76.2@3873,4870 3885.17,4857.83 3885.17,4833.22 3923.55,4794.84 ; U5.8@3934.65,3588.39 3934.65,3657.65 C26.1@3937,3660 v1(3990,3660) ; 4028.74,4820 4044.5,4820 4087,4862.5 C77.2@4087,4870 4087,4877.5 4124.5,4915 v1(4135,4915) ; C17.2@4697,4280 4700,4283 4700,4376.72 4735.28,4412 4795.74,4412 4851.12,4467.38 ; C20.2@4793,4280 4793,4383 4859.57,4449.57 ; R96.2@4873,5210 4873,5202.5 4887,5188.5 4894.5,5188.5 4941.38,5141.62 4962.79,5141.62 v1(4964.83,5143.66) ; v1(5639.81,4420) 5684.49,4375.32 5684.49,4374.49 ; 7400,3950 7408.17,3950 7411.61,3953.45 U7.8@7411.61,3954.65 ; 7443,4472 7459.26,4472 U4.8@7461.61,4469.65
  Top Layer 1 w15: 4975.5,4760.98 4991.78,4744.7 4991.78,4737.11 4992.06,4737.11 5014.91,4714.26 v1(5017.24,4714.26)
  Top Layer 1 w20: R83.1@3567,5882.44 3567,5877.5 3594.31,5850.19 3594.31,5830.69 v1(3595,5830) ; R83.1@3567,5887.44 R91.1@3567,5960 ; v1(3883.84,5634.78) 3883.84,5569.54 J14.4@3884.21,5569.17 ; v1(6490,3960) 6491.08,3960 6506.08,3975 R60.2@6573,3975 ; R56.2@6573,3900 R60.2@6573,3975 ; R58.2@6573,4050 R60.2@6573,3975 ; v1(7036.68,3726.68) 7037.04,3727.04 7037.04,3778.77 U2.5@7037.4,3779.13 ; v1(7100,4070) R54.2@7100,4113 ; v1(7288.79,3943.9) 7289.49,3944.59 7337.59,3944.59 C34.1@7340,3947 ; v1(7422.57,4454.43) 7423.26,4455.13 7423.26,4463.1 7432.17,4472 7443,4472
  Top Layer 1 w25: v1(6889.51,3737.65) 6890,3738.14 R2.2@6890,3788 ; C34.1@7340,3947 7343,3950 7400,3950
  Bottom Layer 1 w8: v1(5070,4370) 5071.29,4370 5102.18,4400.88 C8.2@5102.18,4408.38 ; v1(6870,4345) 6874.33,4345 6884.33,4335 6942,4335 C49.2@6945,4338 C49.2@6953,4330
  Bottom Layer 1 w12: v1@3110.21,5365.21 v1(3110,5365) 3135.86,5390.86 R1.2@3135.86,5423.86 ; v1(3340,6055) 3340,6058.25 3361.06,6079.3 3415.2,6079.3 3462.86,6031.64 R81.2@3462.86,6017.66 ; C18.2@4815,4983 4818,4980 v1(4865,4980)
  Bottom Layer 1 w15: v1(4964.83,5143.66) 4966.56,5141.94 4966.56,5105.44 5020,5052 C11.2@5027.5,5052 ; v1(5017.24,4714.26) 5017.24,4711.93 5025,4704.17 5025,4703.89 5028.42,4700.47 5045.03,4700.47 5062.5,4683 C3.2@5070,4683 ; C12.2@5218,5040 5218.33,5040.33 5218.33,5085.46 v1(5218.65,5085.79) ; v1(5291.85,4369.61) 5293.55,4371.31 5293.55,4379.05 5317,4402.5 C6.2@5317,4412.5 ; C10.2@5416.54,5136.46 C10.2@5423,5130 ; v1(5501.2,4377.24) 5502.85,4378.89 5502.85,4388.35 C13.2@5537,4422.5 ; v1(5639.81,4420) C15.2@5679.56,4420
  Bottom Layer 1 w20: v1(4972,4535.77) 5021.27,4535.77 5062.5,4577 C9.2@5070,4577 ; C10.2@5423,5130 5423,5078.08 5431.11,5069.97 v1(5431.11,5068.89) ; v1(5685.81,5053.84) 5686.79,5053.84 5702.58,5069.63 5752.98,5069.63 C14.2@5760.47,5077.12 ; v1(5705,4625) 5705.98,4625 5718,4612.98 5752.49,4612.98 C7.2@5760.47,4605 ; C80.2@5760.47,4801.53 5818.47,4801.53 v2(5825.65,4794.35) ; R55.2@6800,3933 6800.1,3932.9 6800.1,3887.22 v1(6800.2,3887.12) ; v1(7422.57,4454.43) 7423.55,4454.43 7431.12,4462 7470,4462 C25.1@7480,4472
  Bottom Layer 1 w25: v1(3454.71,5461.84) 3455,5462.13 R80.1@3455,5511
  other v1: 6310,3270 6350,3270 6390,3270 6430,3270 6470,3270 6510,3270 6550,3270 6590,3270 6310,3310 6350,3310 6390,3310 6430,3310 6470,3310 6510,3310 6550,3310 6590,3310 4745.18,4190 4745.18,4242.78 4745.18,4295 7385,4845 7385,4885 7385,4925
3V3_DIV2A: C22.1 C23.1 C32.1 C40.1 R26.2 R27.2 R52.2 R53.2 U2.1 U2.4 | length 2381.9
  Top Layer 1 w12: U2.4@6962.6,3779.13 6962.6,3794.69 6992.91,3825 7014.2,3825 7031.59,3842.39 7031.59,3865.06 U2.1@7037.4,3870.87 7037.4,3930.6 7035,3933 C22.1@7055,3933 ; C22.1@7050,3938 C22.1@7055,3933 ; C23.1@7110,3938 7105,3933 C22.1@7055,3933 ; C23.1@7130,3938 7137.5,3938 7198.08,3998.58 v2(7199.06,3998.58) ; v2(7332.44,3615.19) 7387.81,3615.19 C40.1@7390,3613 R52.2@7490,3613 ; R26.2@7530,4158 7527.08,4155.08 7527.08,4109.08 R53.2@7520,4102 7522,4100 v2(7570,4100) ; R27.2@7568,4610 7570,4612 v2(7570,4660)
  Bottom Layer 1 w12: v2(7199.06,3998.58) 7333.48,4133 C32.1@7415,4133 7568,4133 7570,4135 ; v2(7332.44,3615.19) 7485.19,3615.19 7570,3700 v2(7570,4100) 7570,4135 ; v2(7570,4660) 7600,4630 7600,4165 7570,4135